# Altium PCB TEL-GPRS-BT-V1_0 Rev1.PcbDoc (part 2 of 2)
Units mm, origin at the board's own origin, x right, y up, seen from the top; angles counter-clockwise.
Board outline 117.3 x 79.64 mm, 2 copper layers (Top Layer, Bottom Layer); 129 components, 107 nets, 540 pads, 161 vias.
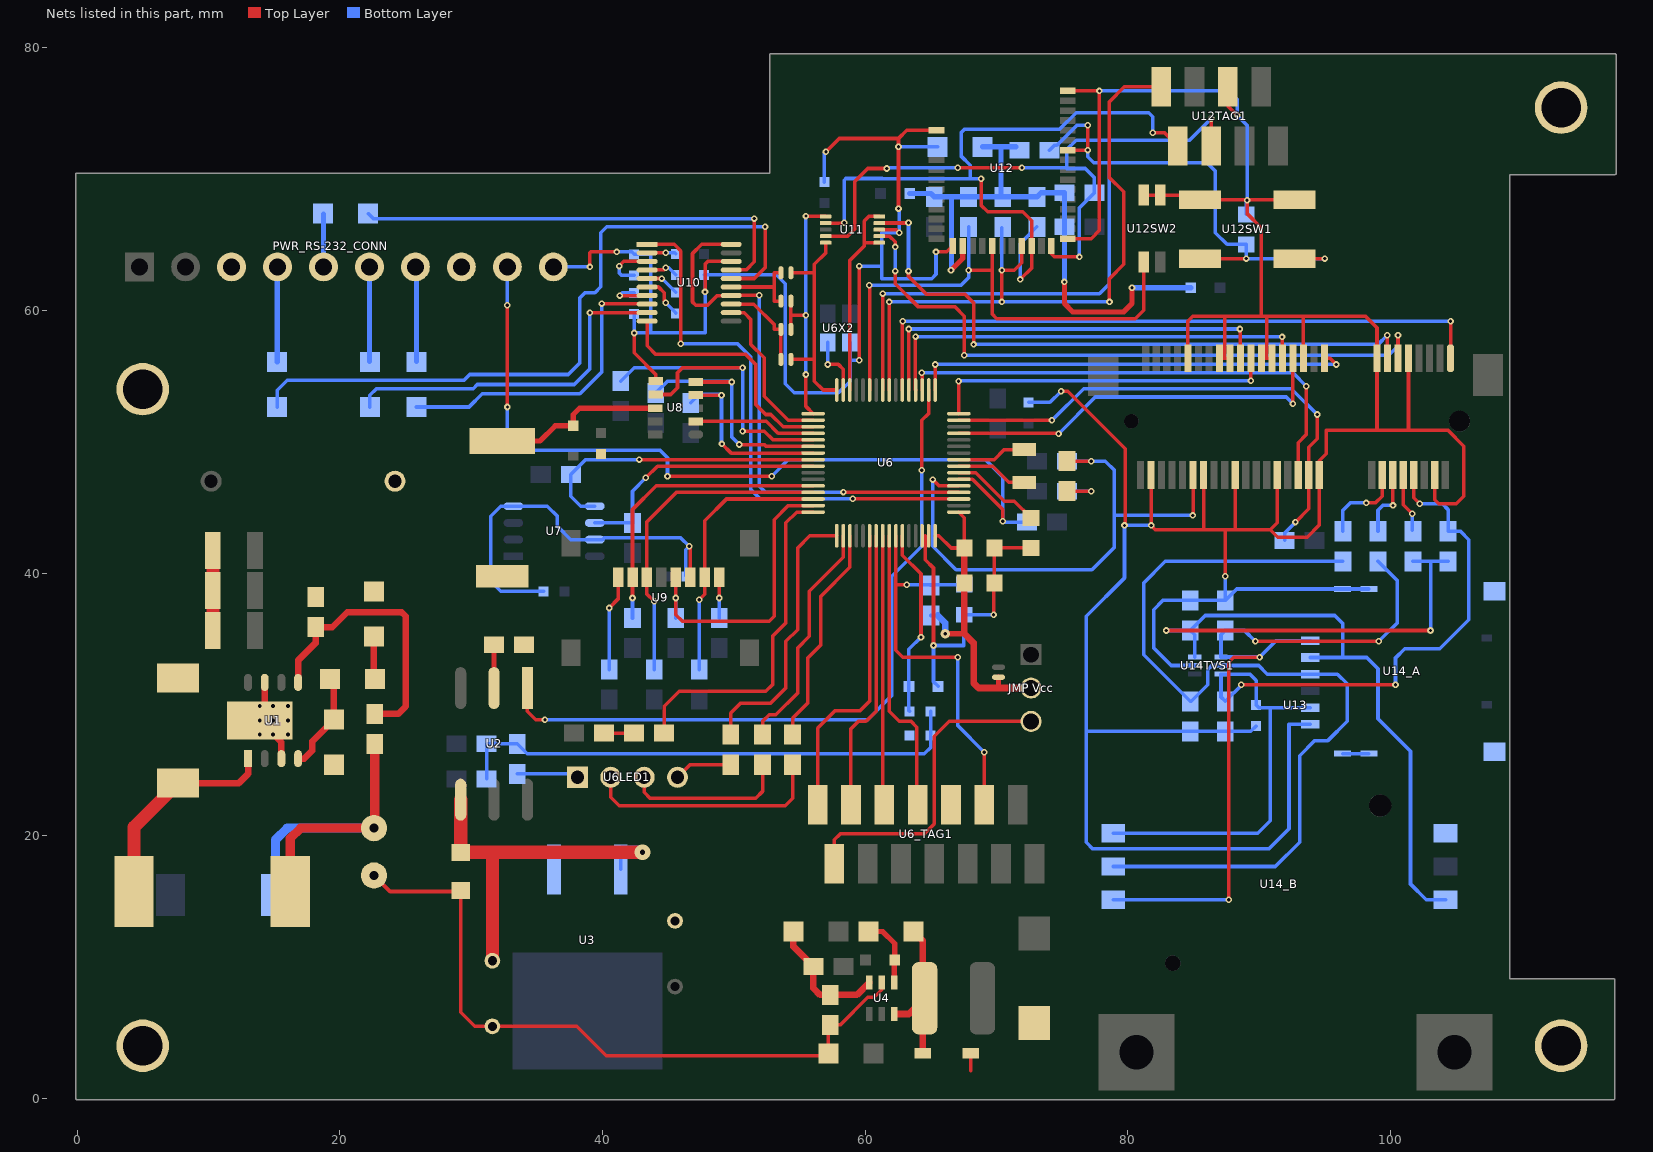
[diagram p2: the nets of this part, all layers, seen from the top]

## Via types
v1: diameter 0.5, hole 0.25, Top Layer to Bottom Layer, tented both sides, 153 vias
v2: diameter 0.7, hole 0.25, Top Layer to Bottom Layer, tented both sides, 5 vias
v3: diameter 1.2, hole 0.4, Top Layer to Bottom Layer, tented both sides, 2 vias
v4: diameter 0.8, hole 0.25, Top Layer to Bottom Layer, tented both sides, 1 vias

## Nets (pads, with @x,y where several pads share a name; then routed paths per layer and width w, separated by ;. In a path a pad name is that pad's centre, name@x,y a point inside that pad or via, vN(x,y) a via of type N, cw(c..) or ccw(c..) an arc to the next point about the centre after c; other vN are vias at no path point) (continued)
BT_RESET: U6.25 U12.7 U12C2.1 U12R1.2 U12SW1.1 | length 72.2
  Top Layer w0.27: v1(61.341,61.277) 61.345,61.274 U6.25@61.345,53.937 ; U12.7@75.438,72.208 v1(76.962,72.208) v1(76.962,74.105) ; U12SW1.1@85.518,63.944 v1(89.027,63.944) ; U12SW1.1@92.718,63.944 v1(94.996,63.944)
  Bottom Layer w0.27: v1(61.341,61.277) 77.851,61.277 78.613,62.039 78.613,71.247 ; U12R1.2@74.041,72.2 74.422,72.581 74.612,72.581 76.136,74.105 v1(76.962,74.105) ; v1(76.962,72.208) 76.962,71.691 77.406,71.247 78.613,71.247 ; v1(94.996,63.944) v1(89.027,63.944) U12C2.1@89.027,65.024 87.566,65.024 86.677,65.913 86.677,70.612 86.042,71.247 78.613,71.247
BT_RTS: U6.24 U12.20 U12R4.2 U12TAG1.1 | length 52.7
  Top Layer w0.27: U6.24@61.845,53.937 61.845,60.638 v1(61.849,60.642) ; v1(70.421,60.642) v1(70.421,63.055) 71.374,63.055 71.938,63.619 U12.20@71.938,64.908 ; v1(78.613,60.642) 78.613,62.42 79.692,63.5 79.692,69.025 78.613,70.104 78.613,75.882 79.748,77.017 U12TAG1.1@82.55,77.017
  Bottom Layer w0.27: v1(61.849,60.642) v1(70.421,60.642) v1(78.613,60.642) ; v1(70.421,63.055) U12R4.2@70.421,66.294
BT_RX: U11.9 U12.17 U12R7.1 U12TAG1.4 | length 49.9
  Top Layer w0.27: U11.9@56.998,65.651 58.666,65.651 59.205,66.19 59.205,69.809 60.198,70.802 v1(61.658,70.802) ; v1(67.056,70.866) v1(71.945,70.866) ; U12.17@74.188,64.908 74.188,64.306 74.422,64.072 v1(76.327,64.072) ; U12TAG1.4@86.36,72.517 v1(86.36,74.612)
  Bottom Layer w0.27: v1(61.658,70.802) 61.722,70.866 v1(67.056,70.866) ; v1(71.945,70.866) 75.311,70.866 75.374,70.802 ; v1(76.327,64.072) 76.327,67.818 U12R7.1@77.47,68.961 77.47,70.104 76.772,70.802 75.374,70.802 ; v1(86.36,74.612) 84.709,72.962 76.073,72.962 75.374,72.263 75.374,70.802
BT_SIO_02: U6.27 U12.23 U12R3.2 U12SW2.3 | length 42.3
  Top Layer w0.27: v1(60.325,61.912) 60.345,61.893 U6.27@60.345,53.937 ; v1(67.882,63.055) 69.688,63.055 ; U12.23@69.688,64.908 69.688,59.725 70.04,59.372 80.581,59.372 81.216,60.008 U12SW2.3@81.216,63.691
  Bottom Layer w0.27: v1(60.325,61.912) 67.31,61.912 67.882,62.484 v1(67.882,63.055) U12R3.2@67.882,66.358
BT_TX: U11.7 U12.19 U12R6.1 U12TAG1.2 | length 53.6
  Top Layer w0.27: U11.7@56.998,66.651 58.396,66.651 v1(58.42,66.675) ; v1(68.834,70.018) 68.834,68.008 69.342,67.501 72.009,67.501 72.688,66.821 U12.19@72.688,64.908 72.688,63.227 v1(71.819,62.357) ; v1(81.915,73.533) 82.804,73.533 U12TAG1.2@83.82,72.517
  Bottom Layer w0.27: v1(58.42,66.675) 58.42,69.913 58.547,70.04 61.31,70.04 61.333,70.018 68.008,70.018 ; v1(68.834,70.018) 68.008,70.018 ; v1(71.819,62.357) 71.819,65.087 U12R6.1@73.088,66.358 ; v1(81.915,73.533) 81.915,74.739 81.597,75.057 76.077,75.057 74.826,73.806 67.583,73.806 67.31,73.533 67.31,71.755 68.008,71.056 68.008,70.018
GND: PWR_RS-232_CONN.3 PWR_RS-232_CONN.8 PWR_RS-232_CONN.10 U1.3 U1.7 U1.9 U1C1.1 U1C2.1 U1C3.1 U1C4.1 U1C6.2 U1D1.1 U1R1.1 U1R2.2 U1TVS1.1 U2R1.1 U3.1 U3C1.2 U3C2.2 U3TVS1.1 U4.2 U4C1.1 U4C4.2 U4D1.1 U4R2.1 U5C1.2 U5D1.1 U5R2.1 U6.62 U6.63 U6_TAG1.9 U6C1.2 U6C2.2 U6C3.2 U6C4.2 U6C5.2 U6LED1.1 U6X2.2 U7.4 U7.7 U7C1.1 U8.6 U8C1.2 U8C2.2 U9.6 U9C1.2 U10.18 U10C1.1 U10C4.1 U10C5.1 U11.3 U11C1.1 U12.1 U12.16 U12.27 U12.39 U12C1.2 U12C2.2 U12SW1.2 U12SW2.1 U12SW2.2 U12TAG1.5 U13.4 U13.9 U13.15 U13.18 U13.21 U13.26 U13.27 U13.29 U13.34 U13.35 U13.37 U13.40 U13.43 U13.50 U14_A.5 U14_B.5 U14C1.2 U14C2.1 U14C3.1 U14C4.1 U14C5.1 U14TVS1.2 | length 502.6
  Top Layer w0.27: U1C6.2@22.606,16.974 23.832,15.748 29.136,15.748 U3TVS1.1@29.21,15.822 29.21,6.54 30.273,5.477 U3C1.2@31.623,5.477 38.053,5.477 40.292,3.238 57.213,3.238 U4C1.1@57.213,3.429 U4R2.1@57.213,5.461 ; v1(39.052,63.309) 39.052,64.389 39.116,64.453 v1(41.084,64.453) ; v1(42.418,58.279) 42.418,56.769 44.069,55.118 U8.6@44.069,54.61 ; v1(46.609,42.037) 46.693,41.953 U9.6@46.693,39.676 ; v1(47.816,61.404) 47.816,63.5 48.043,63.728 U10.18@49.809,63.728 ; v1(57.023,72.072) 58.039,73.088 62.547,73.088 ; U4R2.1@57.34,5.588 58.102,5.588 60.198,7.683 60.706,7.683 61.277,8.255 U4.2@61.277,8.82 ; v1(59.563,56.197) v1(59.563,63.373) ; U11.3@61.087,66.151 62.373,66.151 v1(62.611,65.913) ; v1(62.547,67.754) v1(62.547,72.453) 62.547,73.088 ; 64.579,42.837 64.579,41.021 65.215,40.386 v1(65.215,34.48) ; v1(65.405,64.453) 66.232,64.453 U12.27@66.688,64.908 ; U12.39@65.438,73.708 63.167,73.708 62.547,73.088 ; 68.056,2.112 U4D1.1@68.056,3.429 ; v1(69.787,36.83) 69.787,39.174 U6C1.2@69.85,39.237 69.85,41.904 69.856,41.91 U6C4.2@72.644,41.91 ; v1(74.93,53.848) 75.438,53.848 79.819,49.466 79.819,43.624 v1(79.756,43.624) ; U12.16@75.438,65.458 77.217,65.458 77.851,66.092 v1(77.851,76.708) U12.1@75.438,76.708 ; U12SW2.2@81.216,68.77 U12SW2.1@82.486,68.77 85.137,68.77 U12SW1.2@85.49,68.417 U12SW1.2@92.691,68.417 ; U13.50@81.783,47.462 81.783,43.629 v1(81.788,43.624) 82.105,43.307 87.439,43.307 ; U13.43@84.583,56.362 84.583,59.183 84.963,59.563 90.17,59.563 ; 85.783,43.312 U13.40@85.783,47.462 ; U13.37@86.983,56.362 87.383,56.362 ; 87.383,59.556 87.383,56.362 ; v1(87.439,39.751) 87.439,43.307 ; U12TAG1.5@87.63,77.017 87.63,75.565 v1(88.328,74.867) ; U13.35@87.783,56.362 87.383,56.362 ; U13.34@88.183,47.462 88.201,47.444 88.201,43.307 ; v1(89.09,68.389) 89.09,67.373 90.17,66.294 90.17,59.563 ; U13.29@90.183,56.362 90.583,56.362 ; U13.27@90.983,56.362 90.583,56.362 ; U13.26@91.383,47.462 91.383,43.822 90.868,43.307 ; U13.21@93.383,56.362 93.383,59.538 ; 98.983,50.913 U13.15@98.983,56.362 98.983,58.688 98.108,59.563 90.551,59.563 ; 101.383,50.89 U13.9@101.383,56.362 ; U13.4@103.383,47.462 103.383,45.588 103.695,45.276 105.029,45.276 105.6,45.847 105.6,49.657 104.394,50.863 95.123,50.863 95.123,49.085 94.583,48.546 U13.18@94.583,47.462 94.583,43.656 93.662,42.735 91.44,42.735 90.868,43.307 ; 87.439,43.307 88.201,43.307 ; 88.201,43.307 90.868,43.307 ; 90.17,59.563 90.551,59.563 ; 90.551,59.563 90.583,59.531 90.583,56.362
  Top Layer w0.5: U1.9@13.918,28.765 15.557,27.126 U1.3@15.557,25.866 ; U1.9@14.287,29.135 U1.7@14.287,31.665
  Top Layer w1: U1C3.1@10.338,35.623 U1C2.1@10.338,38.672 U1C1.1@10.338,41.719
  Bottom Layer w0.27: U5R2.1@33.528,24.701 37.846,24.701 U6LED1.1@38.1,24.448 ; U7C1.1@35.522,38.608 32.258,38.608 31.496,39.37 31.496,44.323 32.258,45.085 U7.4@33.222,45.085 35.814,45.085 36.576,44.323 36.576,43.561 37.592,42.545 U7.7@39.422,42.545 40.005,42.545 40.132,42.672 45.974,42.672 v1(46.609,42.037) 46.355,41.783 46.355,39.789 U9C1.2@46.393,39.751 ; PWR_RS-232_CONN.10@36.261,63.309 v1(39.052,63.309) ; v1(41.084,64.453) 42.227,64.453 U10C4.1@42.418,64.262 43.688,64.262 43.688,58.293 ; U10C5.1@42.418,59.741 42.418,58.293 47.816,58.293 v1(47.816,61.404) 47.816,62.636 U10C1.1@47.752,62.7 53.251,62.7 53.911,62.039 53.911,54.419 54.61,53.721 57.975,53.721 58.864,54.61 58.864,56.272 ; U11C1.1@56.896,69.761 56.896,71.945 v1(57.023,72.072) ; U6X2.2@58.864,57.553 58.864,56.272 ; v1(59.563,56.197) 58.939,56.197 58.864,56.272 ; v1(59.563,63.373) 61.277,63.373 ; v1(62.547,67.754) 62.611,67.691 v1(62.611,65.913) 61.277,65.913 61.277,63.373 ; v1(62.547,72.453) U12C1.2@65.532,72.453 ; v1(65.405,64.453) 65.405,62.738 65.087,62.42 61.277,62.42 61.277,63.373 ; U5D1.1@65.565,31.369 65.215,31.719 v1(65.215,34.48) 67.501,34.48 67.501,36.767 U6C3.2@67.564,36.83 v1(69.787,36.83) ; U6C5.2@72.454,52.997 74.079,52.997 v1(74.93,53.848) ; v1(77.851,76.708) 87.694,76.708 88.328,76.073 v1(88.328,74.867) 89.09,74.105 v1(89.09,68.389) 89.027,68.326 U12C2.2@89.027,67.31 ; v1(81.788,43.624) v1(79.756,43.624) 79.756,39.624 76.835,36.703 76.835,27.94 ; U14TVS1.2@85.106,32.956 83.312,32.956 81.978,34.29 81.978,37.211 82.677,37.91 U14C2.1@84.772,37.91 U14C3.1@87.439,37.91 ; v1(87.439,39.751) U14C3.1@87.439,37.91 ; U14C1.2@89.789,28.346 89.383,27.94 U14C5.1@87.439,27.94 U14C4.1@84.772,27.94 76.835,27.94 ; U14_A.5@93.9,28.487 92.283,28.487 92.283,20.528 90.742,18.986 77.343,18.986 76.835,19.494 76.835,27.94 ; U14_A.5@96.37,26.242 U14_A.5@98.37,26.242 ; U14_A.5@98.37,38.782 U14_A.5@96.37,38.782 88.312,38.782 U14C3.1@87.439,37.91
INT-PUERTA: PWR_RS-232_CONN.9 U6.6 U6R3.1 | length 64.1
  Top Layer w0.27: v1(32.761,60.394) 32.766,60.389 v1(32.766,52.642) ; v1(44.958,47.371) v1(52.895,47.371) ; U6.6@67.145,47.137 68.179,47.137 70.485,44.831 v1(70.485,43.942)
  Bottom Layer w0.27: v1(32.761,60.394) PWR_RS-232_CONN.9@32.761,63.309 ; v1(32.766,52.642) 32.761,52.636 32.761,50.615 34.036,49.34 44.386,49.34 44.958,48.768 v1(44.958,47.371) ; v1(52.895,47.371) 54.165,48.641 69.151,48.641 70.485,47.307 v1(70.485,43.942) 70.549,43.878 U6R3.1@72.326,43.879
NetSP1_1: T1.1
NetSP2_1: T2.1
NetSP3_1: T3.1
NetSP4_1: T4.1
NetU1_1: U1.1 U1D1.2 U1L1.1 | length 16.4
  Top Layer w0.5: U1D1.2@7.683,24.004 12.32,24.004 13.018,24.701 U1.1@13.018,25.866
  Top Layer w1: U1L1.1@4.334,15.748 4.334,20.654 U1D1.2@7.683,24.004
NetU1_4: U1.4 U1C4.2 U1C5.2 | length 7.6
  Top Layer w0.27: U1C5.2@19.241,31.941 U1C5.2@19.558,31.623
  Top Layer w0.5: U1.4@16.828,25.866 17.293,25.866 17.907,26.479 17.907,27.178 U1C4.2@19.558,28.829 U1C5.2@19.558,31.623
NetU1_5: U1.5 U1R2.1 U1R3.2 | length 21.7
  Top Layer w0.5: U1.5@16.828,31.665 16.828,33.337 18.161,34.671 U1R2.1@18.161,35.877 19.431,35.877 20.574,37.02 24.701,37.02 25.019,36.703 25.019,29.845 24.447,29.273 U1R3.2@22.669,29.273
NetU1C5_1: U1C5.1 U1R1.2 | length 3.3
  Top Layer w0.27: U1C5.1@22.606,32.004 U1C5.1@22.669,31.941
  Top Layer w0.5: U1C5.1@22.606,32.004 U1R1.2@22.606,35.179
NetU1C6_1: U1C6.1 U1D2.1 U1L1.2 U1R3.1 | length 29.2
  Top Layer w0.7: U1L1.2@16.234,15.739 16.234,19.79 17.018,20.574 U1C6.1@22.606,20.574 ; U1C6.1@22.669,20.637 U1R3.1@22.669,26.987
  Bottom Layer w0.7: U1D2.1@15.112,15.494 15.112,19.684 16.002,20.574 U1C6.1@22.606,20.574
NetU2_1: U2.1 U6.18 | length 55
  Top Layer w0.27: U2.1@34.29,31.237 34.29,29.464 34.925,28.829 v1(35.623,28.829) ; v1(64.325,47.816) 64.325,51.625 64.845,52.145 U6.18@64.845,53.937
  Bottom Layer w0.27: v1(35.623,28.829) 60.198,28.829 62.039,30.67 62.039,39.751 64.325,42.037 v1(64.325,47.816)
NetU2_2: U2.2 U2R1.2 | length 3.3
  Top Layer w0.4: U2.2@31.75,31.237 U2R1.2@31.75,34.544
NetU2_4: U2.4 U3.3 U3C1.1 U3TVS1.2 | length 28.9
  Top Layer w1: U2.4@29.21,22.738 29.21,18.732 31.623,18.732 ; U3C1.1@31.623,10.477 31.623,18.732 ; v3(43.053,18.732) 31.623,18.732
  Bottom Layer w0.27: U3.3@41.402,17.431 41.402,18.542 U3.3@41.593,18.732
  Bottom Layer w1: U3.3@41.593,18.732 v3(43.053,18.732)
NetU4_1: U4.1 U4C2.2 U4D2.2 | length 5.3
  Top Layer w0.4: U4C2.2@60.261,12.7 61.341,12.7 62.263,11.778 U4D2.2@62.263,10.541 ; U4.1@62.228,8.82 U4D2.2@62.228,10.506
NetU4_3: U4.3 U4C3.1 U4R1.1 U4R2.2 | length 9.8
  Top Layer w0.5: U4C3.1@54.546,12.7 54.546,11.557 U4R1.1@56.07,10.033 56.07,8.382 56.578,7.874 U4R2.2@57.34,7.874 59.382,7.874 U4.3@60.328,8.82
NetU4_6: U4.6 U4C2.1 U4D1.2 U4L1.1 | length 12.2
  Top Layer w0.5: U4.6@62.228,6.42 63.338,6.42 U4L1.1@64.405,7.487 ; U4C2.1@63.691,12.7 64.405,11.985 U4L1.1@64.405,7.487 ; U4D1.2@64.405,3.429 U4L1.1@64.405,7.487
NetU5C1_1: U5C1.1 U5R1.1 U5R2.2 U5R3.1 U5R4.2 | length 39.8
  Bottom Layer w0.27: U5R1.1@31.178,24.32 U5R3.1@31.178,26.988 U5R2.2@33.528,26.987 34.29,26.226 64.516,26.226 64.999,26.708 U5C1.1@64.999,27.622 U5R4.2@64.998,29.464
NetU5D1_2: U5D1.2 U5R4.1 U6.59 | length 14.4
  Top Layer w0.27: U6.59@62.845,42.837 62.845,41.358 64.262,39.941 v1(64.262,35.115)
  Bottom Layer w0.27: U5R4.1@63.398,29.464 63.34,29.522 U5D1.2@63.34,31.369 63.34,34.194 v1(64.262,35.115)
NetU6_3: U6.3 U10.1 | length 41.8
  Top Layer w0.27: U10.1@43.409,65.028 45.462,65.028 45.974,64.516 v1(45.974,57.468) ; v1(59.055,45.657) U6.3@67.125,45.657
  Bottom Layer w0.27: v1(45.974,57.468) 50.292,57.468 51.308,56.451 51.308,46.355 52.006,45.657 v1(59.055,45.657)
NetU6_4: U6.4 U10.14 U10.20 | length 42.3
  Top Layer w0.27: U10.14@49.809,61.128 48.746,61.128 48.006,60.389 47.117,60.389 46.863,60.642 46.863,64.325 47.565,65.028 U10.20@49.809,65.028 ; U10.14@49.831,61.151 v1(51.943,61.151) ; v1(58.356,46.164) 58.379,46.142 67.145,46.142 U6.4@67.145,46.137
  Bottom Layer w0.27: v1(51.943,61.151) 51.943,46.609 52.387,46.164 v1(58.356,46.164)
NetU6_5: U6.5 U13.42 U13D1.2 U13R3.1 | length 43.2
  Top Layer w0.27: v1(65.151,47.117) 65.631,46.637 U6.5@67.145,46.637 ; U13D1.2@75.374,48.514 v1(77.216,48.514) ; v1(84.963,44.386) 84.983,44.407 U13.42@84.983,47.462
  Bottom Layer w0.27: v1(65.151,47.117) 65.151,42.037 66.929,40.259 77.279,40.259 78.994,41.974 78.994,47.816 78.295,48.514 v1(77.216,48.514) U13R3.1@75.374,48.514 ; 78.994,44.386 v1(84.963,44.386)
NetU6_7: U6.7 U6C4.1 | length 6.9
  Top Layer w0.27: U6.7@67.145,47.637 68.441,47.637 70.612,45.466 71.374,45.466 U6C4.1@72.644,44.196
NetU6_8: U6.8 U6X1.2 | length 5.5
  Top Layer w0.27: U6.8@67.145,48.137 69.719,48.137 70.953,46.903 U6X1.2@72.136,46.903
NetU6_9: U6.9 U6X1.1 | length 5.3
  Top Layer w0.27: U6.9@67.145,48.637 69.846,48.637 70.612,49.403 U6X1.1@72.136,49.403
NetU6_13: U6.13 U13.23 | length 30.3
  Top Layer w0.27: U6.13@67.145,50.637 74.712,50.637 v1(74.739,50.609) ; v1(92.583,52.895) 92.583,53.594 U13.23@92.583,56.362
  Bottom Layer w0.27: v1(74.739,50.609) 77.534,53.404 92.075,53.404 v1(92.583,52.895)
NetU6_15: U6.15 U13.20 U13R1.1 | length 39.7
  Top Layer w0.27: U6.15@67.145,51.637 74.22,51.637 v1(74.231,51.625) ; v1(92.773,43.878) 93.783,44.888 U13.20@93.783,47.462 93.783,49.587 94.424,50.228 v1(94.424,52.07)
  Bottom Layer w0.27: v1(74.231,51.625) 76.644,54.038 92.456,54.038 v1(94.424,52.07) ; U13R1.1@91.948,42.481 91.948,43.053 v1(92.773,43.878)
NetU6_16: U6.16 U13.31 | length 26.5
  Top Layer w0.27: v1(67.12,54.61) 67.12,52.162 U6.16@67.145,52.137 ; v1(89.383,54.649) U13.31@89.383,56.362
  Bottom Layer w0.27: v1(67.12,54.61) 67.158,54.649 v1(89.383,54.649)
NetU6_17: U6.17 U13.17 | length 33.6
  Top Layer w0.27: U6.17@65.345,53.937 v1(65.345,55.88) ; U13.17@94.983,56.362 95.403,56.362 v1(95.885,55.88)
  Bottom Layer w0.27: v1(65.345,55.88) v1(95.885,55.88)
NetU6_19: U6.19 U13.22 | length 38
  Top Layer w0.27: v1(64.325,55.245) 64.345,55.226 U6.19@64.345,53.937 ; U13.22@92.983,47.462 92.983,49.93 93.599,50.546 v1(93.599,54.229)
  Bottom Layer w0.27: v1(64.325,55.245) 92.583,55.245 v1(93.599,54.229)
NetU6_30: U6.30 U11.1 U11.5 | length 15.8
  Top Layer w0.27: U6.30@58.845,53.937 58.845,63.798 59.944,64.897 59.944,65.151 ; U11.1@61.087,65.151 59.944,65.151 ; U11.5@61.087,67.151 60.293,67.151 59.944,66.802 59.944,65.151
NetU6_32: U6.32 U10B_A1.1 U10B_B2.2 U11.10 | length 16.4
  Top Layer w0.27: U10B_A1.1@54.356,56.261 56.134,56.261 ; U10B_B2.2@54.356,62.865 56.134,62.865 ; U11.10@56.998,65.151 56.998,64.364 56.134,63.5 56.134,62.357 56.134,56.261 ; U6.32@57.845,53.937 56.807,53.937 56.134,54.61 56.134,56.261
NetU6_33: U6.33 U10B_A2.1 U10B_B1.2 U11.6 | length 20.1
  Top Layer w0.27: U10B_B1.2@54.356,58.547 54.356,59.627 ; U10B_A2.1@54.356,60.706 54.356,59.627 ; v1(55.499,55.118) 55.499,52.683 U6.33@56.045,52.137 ; v1(55.499,59.627) 54.356,59.627 ; v1(55.499,67.183) 56.966,67.183 U11.6@56.998,67.151
  Bottom Layer w0.27: v1(55.499,55.118) v1(55.499,59.627) v1(55.499,67.183)
NetU6_34: U6.34 U10.12 | length 12.5
  Top Layer w0.27: U10.12@49.809,59.828 50.789,59.828 51.308,59.309 51.308,57.404 52.324,56.388 52.324,53.467 54.154,51.637 U6.34@56.045,51.637
NetU6_35: U6.35 U10.10 | length 18.9
  Top Layer w0.27: U10.10@43.409,59.178 43.409,57.302 44.069,56.642 50.927,56.642 51.689,55.88 51.689,52.832 52.451,52.07 52.832,52.07 53.765,51.137 U6.35@56.045,51.137
NetU6_36: U6.36 U8.2 | length 9.3
  Top Layer w0.27: U8.2@47.117,51.546 52.467,51.546 53.376,50.637 U6.36@56.045,50.637
NetU6_37: U6.37 U8.7 U8R3.2 | length 28.3
  Top Layer w0.27: U8.7@44.069,53.594 45.212,53.594 45.72,54.102 45.72,55.245 46.101,55.626 v1(50.673,55.626) ; v1(50.673,50.8) 52.324,50.8 52.987,50.137 U6.37@56.045,50.137
  Bottom Layer w0.27: U8R3.2@41.402,54.61 42.418,55.626 v1(50.673,55.626) v1(50.673,50.8)
NetU6_38: U6.38 U8.5 U8R2.1 | length 19.6
  Top Layer w0.27: U8.5@47.117,54.546 v1(49.848,54.547) ; v1(50.419,49.784) 52.324,49.784 52.471,49.637 U6.38@56.045,49.637
  Bottom Layer w0.27: U8R2.1@44.069,53.721 44.958,54.61 49.785,54.61 v1(49.848,54.547) 49.848,50.355 v1(50.419,49.784)
NetU6_39: U6.39 U8.4 U8R1.1 | length 15.5
  Top Layer w0.27: U8.4@47.117,53.546 v1(49.07,53.546) ; v1(49.101,49.832) 49.796,49.137 U6.39@56.045,49.137
  Bottom Layer w0.27: U8R1.1@46.736,52.959 47.371,53.594 49.022,53.594 v1(49.07,53.546) 49.07,49.832 v1(49.101,49.832)
NetU6_40: U6.40 U7.5 U7R2.1 | length 22.7
  Top Layer w0.27: v1(42.799,48.641) U6.40@56.041,48.641
  Bottom Layer w0.27: U7.5@39.422,45.085 38.354,45.085 37.592,45.847 U7R2.1@37.592,47.498 38.735,48.641 v1(42.799,48.641)
NetU6_41: U6.41 U7.6 U7R1.1 | length 19.8
  Top Layer w0.27: v1(43.307,47.244) 44.2,48.137 U6.41@56.045,48.137
  Bottom Layer w0.27: U7.6@39.422,43.815 U7R1.1@42.291,43.815 42.291,46.228 v1(43.307,47.244)
NetU6_44: U6.44 U9.2 U9R2.1 | length 22.8
  Top Layer w0.27: v1(42.291,38.1) U9.2@42.291,39.674 ; U9.2@42.293,39.676 42.293,44.833 44.097,46.637 U6.44@56.045,46.637
  Bottom Layer w0.27: U9R2.1@42.291,36.576 v1(42.291,38.1)
NetU6_45: U6.45 U9.3 U9R3.1 | length 25.1
  Top Layer w0.27: v1(43.942,37.846) 43.393,38.395 U9.3@43.393,39.676 43.393,43.901 45.629,46.137 U6.45@56.045,46.137
  Bottom Layer w0.27: U9R3.1@43.942,32.639 v1(43.942,37.846)
NetU6_46: U6.46 U9.7 U9R5.1 | length 20.5
  Top Layer w0.27: v1(47.371,37.973) 47.793,38.395 U9.7@47.793,39.676 47.793,43.983 49.447,45.637 U6.46@56.045,45.637
  Bottom Layer w0.27: U9R5.1@47.371,32.639 v1(47.371,37.973)
NetU6_47: U6.47 U9.5 U9R4.1 | length 23
  Top Layer w0.27: U9.5@45.593,39.676 45.593,36.83 46.101,36.322 52.705,36.322 53.086,36.703 53.086,44.069 54.154,45.137 U6.47@56.045,45.137
  Bottom Layer w0.27: U9R4.1@45.593,36.576 v1(45.593,38.1)
NetU6_48: U6.48 U6LED2.2 | length 26.1
  Top Layer w0.27: U6LED2.2@44.704,27.813 44.704,29.845 45.847,30.988 52.451,30.988 52.959,31.496 52.959,35.179 53.975,36.195 53.975,43.815 54.797,44.637 U6.48@56.045,44.637
NetU6_49: U6.49 U6R4.2 | length 21
  Top Layer w0.27: U6R4.2@49.784,27.686 49.784,29.337 50.546,30.099 52.832,30.099 53.975,31.242 53.975,34.798 54.864,35.687 54.864,41.91 55.791,42.837 U6.49@57.845,42.837
NetU6_50: U6.50 U6R5.2 | length 18
  Top Layer w0.27: U6R5.2@52.197,27.686 52.197,28.702 52.705,29.21 53.213,29.21 54.864,30.861 54.864,34.29 55.753,35.179 55.753,38.608 58.345,41.2 U6.50@58.345,42.837
NetU6_51: U6.51 U6R6.2 | length 17
  Top Layer w0.27: U6R6.2@54.483,27.686 54.483,28.956 55.626,30.099 55.626,33.528 56.642,34.544 56.642,38.227 58.845,40.43 U6.51@58.845,42.837
NetU6LED1_2: U6LED1.2 U6R6.1 | length 18.4
  Top Layer w0.27: U6LED1.2@40.64,24.448 40.64,22.924 41.275,22.288 53.911,22.288 54.483,22.86 U6R6.1@54.483,25.4
NetU6LED1_3: U6LED1.3 U6R5.1 | length 12.6
  Top Layer w0.27: U6LED1.3@43.18,24.448 43.18,23.304 43.624,22.86 51.689,22.86 52.197,23.368 U6R5.1@52.197,25.4
NetU6LED1_4: U6LED1.4 U6R4.1 | length 4.5
  Top Layer w0.27: U6LED1.4@45.72,24.448 46.672,25.4 U6R4.1@49.784,25.4
NetU6LED2_1: U6LED2.1 U6R7.1 | length 2.3
  Top Layer w0.27: U6R7.1@40.132,27.813 U6LED2.1@42.418,27.813
NetU8_8: U8.8 U8C2.1 U8D1.2 | length 13.2
  Top Layer w0.4: U8C2.1@32.385,50.046 35.25,50.046 36.418,51.214 U8D1.2@37.782,51.214 37.782,52.07 38.259,52.546 U8.8@44.017,52.546
NetU9_1: U9.1 U9R1.1 | length 7.3
  Top Layer w0.27: v1(40.513,37.338) 41.193,38.018 U9.1@41.193,39.676
  Bottom Layer w0.27: U9R1.1@40.513,32.639 v1(40.513,37.338)
NetU9_8: U9.8 U9R6.1 | length 3.1
  Top Layer w0.27: U9.8@48.893,39.676 48.895,39.674 v1(48.895,38.1)
  Bottom Layer w0.27: U9R6.1@48.895,36.576 v1(48.895,38.1)
NetU10_2: U10.2 U10C2.2 | length 2.2
  Top Layer w0.27: U10.2@43.409,64.378 44.82,64.378 v1(44.831,64.389)
  Bottom Layer w0.27: v1(44.831,64.389) 45.504,64.389 U10C2.2@45.593,64.3
NetU10_3: U10.3 U10C4.2 | length 4
  Top Layer w0.27: v1(41.275,63.373) 41.63,63.728 U10.3@43.409,63.728
  Bottom Layer w0.27: v1(41.275,63.373) 41.275,62.84 41.453,62.662 U10C4.2@42.418,62.662
NetU10_4: U10.4 U10C2.1 | length 2.5
  Top Layer w0.27: U10.4@43.409,63.078 44.663,63.078 v1(44.831,63.246)
  Bottom Layer w0.27: v1(44.831,63.246) 45.047,63.246 U10C2.1@45.593,62.7
NetU10_5: U10.5 U10C3.2 | length 2.6
  Top Layer w0.27: U10.5@43.409,62.428 v1@44.506,62.428
  Bottom Layer w0.27: v1(44.514,62.42) 44.552,62.42 U10C3.2@45.593,61.379
NetU10_6: U10.6 U10C3.1 | length 3.4
  Top Layer w0.27: U10.6@43.409,61.778 44.267,61.778 44.704,61.341 44.704,60.706 v1(44.831,60.579)
  Bottom Layer w0.27: v1(44.831,60.579) 45.593,59.817 U10C3.1@45.593,59.779
NetU10_7: U10.7 U10C5.2 | length 3.3
  Top Layer w0.27: v1(41.316,61.128) U10.7@43.409,61.128
  Bottom Layer w0.27: v1(41.316,61.128) 41.529,61.341 U10C5.2@42.418,61.341
NetU10_8: U10.8 U10L3.1 | length 23.8
  Top Layer w0.27: v1(39.941,60.515) U10.8@43.372,60.515
  Bottom Layer w0.27: U10L3.1@25.845,52.642 29.846,52.642 30.861,53.657 38.291,53.657 39.941,55.308 v1(39.941,60.515)
NetU10_9: U10.9 U10L4.1 | length 27.1
  Top Layer w0.27: v1(39.052,59.817) U10.9@43.398,59.817
  Bottom Layer w0.27: U10L4.1@22.288,52.642 22.288,53.53 22.796,54.038 30.162,54.038 30.48,54.356 37.846,54.356 39.052,55.562 v1(39.052,59.817)
NetU10_13: U10.13 U10B_A1.2 U10B_B1.1 | length 7.1
  Top Layer w0.27: U10.13@49.809,60.478 51.536,60.478 53.086,58.928 53.086,58.547 U10B_B1.1@53.594,58.547 U10B_A1.2@53.594,56.261
NetU10_15: U10.15 U10B_A2.2 U10B_B2.1 | length 6.4
  Top Layer w0.27: U10.15@49.809,61.778 53.079,61.778 ; U10B_A2.2@53.594,60.706 53.086,60.706 53.086,62.865 U10B_B2.1@53.594,62.865
NetU10_16: U10.16 U10L2.1 | length 54.9
  Top Layer w0.27: U10.16@49.809,62.428 51.562,62.428 52.387,63.254 v1(52.387,66.358)
  Bottom Layer w0.27: U10L2.1@15.24,52.642 15.24,53.911 16.002,54.673 29.464,54.673 29.909,55.118 37.401,55.118 38.291,56.007 38.291,60.96 38.672,61.341 39.433,61.341 39.878,61.785 39.878,65.913 40.322,66.358 v1(52.387,66.358)
NetU10_17: U10.17 U10L1.1 | length 34.9
  Top Layer w0.27: U10.17@49.809,63.078 50.949,63.078 51.562,63.691 v1(51.562,66.992)
  Bottom Layer w0.27: U10L1.1@22.162,67.373 22.543,66.992 v1(51.562,66.992)
NetU11_2: U11.2 U13.11 | length 49.7
  Top Layer w0.27: U11.2@61.087,65.651 61.857,65.651 62.293,65.215 v1(62.293,64.834) ; v1(62.293,62.992) 62.293,62.039 64.072,60.261 66.865,60.261 67.564,59.563 v1(67.564,56.578) ; U13.11@100.583,56.362 v1(100.584,58.102) v1(100.584,58.102)
  Bottom Layer w0.27: v1(62.293,62.992) v1(62.293,64.834) ; v1(67.564,56.578) 99.885,56.578 100.584,57.277 v1(100.584,58.102)
NetU11_4: U11.4 U13.13 | length 48.8
  Top Layer w0.27: U11.4@61.087,66.651 63.287,66.652 v1(63.309,66.675) ; v1(63.309,62.992) 63.309,62.611 64.706,61.214 67.627,61.214 68.263,60.579 v1(68.263,57.404) ; U13.13@99.758,56.386 v1(99.758,58.102)
  Bottom Layer w0.27: v1(63.309,62.992) v1(63.309,66.675) ; v1(68.263,57.404) 99.06,57.404 v1(99.758,58.102)
NetU13_8: U13.8 U14_A.1 U14_B.1 U14C1.1 U14C5.2 U14R1.1 U14TVS1.6 | length 68.8
  Top Layer w0.27: v1(88.646,31.496) v1(100.393,31.496) ; U13.8@101.783,47.462 101.783,45.727 v1(102.235,45.276)
  Bottom Layer w0.27: U14_B.1@78.903,20.193 89.916,20.193 90.868,21.145 90.868,29.757 ; v1(88.646,31.496) 88.646,31.432 U14C5.2@87.439,30.226 87.106,30.559 U14TVS1.6@87.106,32.306 89.296,32.306 89.789,31.813 U14C1.1@89.789,29.947 89.979,29.757 90.868,29.757 ; U14_A.1@93.9,29.757 90.868,29.757 ; v1(100.393,31.496) 100.393,33.528 101.092,34.227 103.759,34.227 105.981,36.449 105.981,42.545 105.346,43.18 U14R1.1@104.394,43.18 104.394,44.831 103.95,45.276 v1(102.235,45.276)
NetU13_10: U13.10 U14R4.1 | length 4.5
  Top Layer w0.27: U13.10@100.983,47.462 100.983,45.194 v1(101.663,44.514)
  Bottom Layer w0.27: U14R4.1@101.663,43.243 v1(101.663,44.514)
NetU13_12: U13.12 U14R3.1 | length 5.2
  Top Layer w0.27: U13.12@100.183,47.462 100.183,45.168 v1(100.203,45.148)
  Bottom Layer w0.27: U14R3.1@99.06,43.18 99.06,44.767 99.441,45.148 v1(100.203,45.148)
NetU13_14: U13.14 U14R2.1 | length 6.6
  Top Layer w0.27: v1(98.171,45.339) 98.87,45.339 99.383,45.853 U13.14@99.383,47.462
  Bottom Layer w0.27: U14R2.1@96.393,43.18 96.393,44.767 96.965,45.339 v1(98.171,45.339)
NetU13D1_1: U13D1.1 U13R2.1 | length 3.7
  Top Layer w0.27: U13D1.1@75.374,46.228 v1(77.216,46.228)
  Bottom Layer w0.27: U13R2.1@75.374,46.228 v1(77.216,46.228)
NetU14_A_2: U14_A.2 U14_B.2 U14C4.2 U14R2.2 U14TVS1.5 | length 69.8
  Bottom Layer w0.27: U14_B.2@78.903,17.653 91.249,17.653 93.091,19.494 93.091,26.098 94.234,27.241 95.25,27.241 96.71,28.702 96.71,31.559 95.973,32.297 U14_A.2@93.9,32.297 90.639,32.297 89.98,32.956 U14TVS1.5@87.106,32.956 86.423,32.956 86.106,32.639 86.106,31.496 84.836,30.226 U14C4.2@84.772,30.226 81.216,33.782 81.216,39.243 82.867,40.894 U14R2.2@96.393,40.894
NetU14_A_3: U14_A.3 U14_B.3 U14C3.2 U14R3.2 U14TVS1.4 | length 58.2
  Top Layer w0.27: v1(87.694,15.113) 87.694,33.21 88.075,33.591 v1(90.043,33.591) ; v1(89.725,34.798) v1(99.123,34.798)
  Bottom Layer w0.27: U14_B.3@78.903,15.113 v1(87.694,15.113) ; v1(89.725,34.798) 88.9,35.623 U14C3.2@87.439,35.623 87.106,35.29 U14TVS1.4@87.106,33.606 90.028,33.606 v1(90.043,33.591) 91.288,34.837 U14_A.3@93.9,34.837 ; U14R3.2@99.06,40.894 100.52,39.433 100.52,36.195 v1(99.123,34.798)
NetU14_A_7: U14_A.7 U14_B.7 U14C2.2 U14R1.2 U14R4.2 U14TVS1.3 | length 73.1
  Top Layer w0.27: v1(82.931,35.623) v1(103.06,35.623)
  Bottom Layer w0.27: v1(82.931,35.623) U14C2.2@84.772,35.623 ; U14TVS1.3@85.106,33.606 85.106,35.29 U14C2.2@84.772,35.623 ; U14_A.7@93.9,33.567 96.393,33.567 ; U14R4.2@101.727,40.894 103.06,40.894 ; v1(103.06,35.623) 103.06,40.894 ; U14_B.7@104.203,15.113 102.743,15.113 101.536,16.319 101.536,26.416 99.06,28.892 99.06,32.703 98.196,33.567 96.393,33.567 ; U14R1.2@104.394,40.894 103.06,40.894 ; U14C2.2@84.772,35.623 85.915,36.767 95.758,36.767 96.393,36.131 96.393,33.567
OSC_1.8432MHZ: U6.31 U6X2.3 | length 4.6
  Top Layer w0.27: v1(57.15,55.88) 57.975,55.88 58.345,55.511 U6.31@58.345,53.937
  Bottom Layer w0.27: v1(57.15,55.88) 57.165,55.895 U6X2.3@57.165,57.553
R\S\T\/NMI: U6.58 U6_TAG1.11 U6C3.1 U6R1.1 | length 30.9
  Top Layer w0.27: U6.58@62.345,42.837 62.345,34.112 62.865,33.591 v1(67.056,33.591) ; 62.472,39.116 v1(63.182,39.116) ; U6_TAG1.11@69.088,22.352 v1(69.088,26.352)
  Bottom Layer w0.27: v1(63.182,39.116) 64.96,39.116 U6R1.1@65.024,39.052 65.087,39.116 U6C3.1@67.564,39.116 ; v1(67.056,33.591) 67.056,28.384 v1(69.088,26.352)
RX1_RS232: PWR_RS-232_CONN.6 U10L4.2 | length 7.2
  Bottom Layer w0.4: U10L4.2@22.26,56.099 PWR_RS-232_CONN.6@22.261,63.309
RX2_RS232: PWR_RS-232_CONN.4 U10L2.2 | length 7.2
  Bottom Layer w0.4: U10L2.2@15.24,56.07 PWR_RS-232_CONN.4@15.24,63.288
TCK: U6.57 U6_TAG1.7 | length 21.9
  Top Layer w0.27: U6.57@61.845,42.837 61.845,29.468 62.611,28.702 63.5,28.702 63.944,28.258 63.944,22.415 U6_TAG1.7@64.008,22.352
TD0/TDI: U6.54 U6_TAG1.1 | length 23.2
  Top Layer w0.27: U6_TAG1.1@56.388,22.352 56.388,28.194 57.721,29.527 59.627,29.527 60.345,30.246 U6.54@60.345,42.837
TDI/TCLK: U6.55 U6_TAG1.3 | length 21.6
  Top Layer w0.27: U6_TAG1.3@58.928,22.352 58.928,28.13 59.499,28.702 60.071,28.702 60.845,29.476 U6.55@60.845,42.837
TMS: U6.56 U6_TAG1.5 | length 20.5
  Top Layer w0.27: U6.56@61.345,42.837 61.345,22.475 U6_TAG1.5@61.468,22.352
TX1_RS232: PWR_RS-232_CONN.7 U10L3.2 | length 7.1
  Bottom Layer w0.4: U10L3.2@25.845,56.134 PWR_RS-232_CONN.7@25.845,63.225
TX2_RS232: PWR_RS-232_CONN.5 U10L1.2 | length 4.1
  Bottom Layer w0.27: U10L1.2@18.732,67.373 U10L1.2@18.761,67.345
  Bottom Layer w0.4: PWR_RS-232_CONN.5@18.761,63.309 U10L1.2@18.761,67.345
UART-DCD: U6.21 U13.33 | length 32.1
  Top Layer w0.27: v1(63.338,58.582) 63.345,58.582 U6.21@63.345,53.937 ; v1(88.547,58.582) 88.583,58.546 U13.33@88.583,56.362
  Bottom Layer w0.27: v1(63.338,58.582) v1(88.547,58.582)
UART-RTS: U6.20 U13.25 | length 33.6
  Top Layer w0.27: U6.20@63.845,53.937 63.84,53.941 63.84,57.998 v1(63.845,58.003) ; v1(91.757,57.975) 91.783,57.95 U13.25@91.783,56.362
  Bottom Layer w0.27: v1(63.845,58.003) 91.73,58.003 v1(91.757,57.975)
"VCC TOOL": "JMP Vcc.3" U6_TAG1.2 | length 24.5
  Top Layer w0.27: U6_TAG1.2@57.658,17.852 57.658,19.685 58.102,20.13 64.516,20.13 65.278,20.892 65.278,27.559 66.421,28.702 72.644,28.702
VCC_BT: U12.26 U12C1.1 U12D1.2 U12D2.2 U12R1.1 U12R2.1 U12R3.1 U12R4.1 U12R5.1 U12R6.2 U12R7.2 | length 46
  Top Layer w0.4: v1(66.548,63.055) 67.438,63.946 U12.26@67.438,64.908 ; v1(75.184,62.166) 75.184,60.515 75.819,59.88 79.692,59.88 80.328,60.515 v1(80.328,61.722)
  Bottom Layer w0.27: v1(66.548,63.055) v1@66.58,63.087
  Bottom Layer w0.4: U12D1.2@63.406,68.897 65.025,68.897 U12R2.1@65.278,68.644 66.579,68.644 ; v1@66.58,63.087 66.58,68.644 ; U12C1.1@68.961,72.453 70.358,72.453 ; U12R4.1@70.485,68.644 70.358,68.771 70.358,72.453 ; U12R1.1@71.501,72.453 70.358,72.453 ; v1(75.184,62.166) U12R5.1@75.184,66.358 U12R7.2@75.184,68.961 73.406,68.961 U12R6.2@73.088,68.644 66.58,68.644 ; v1(80.328,61.722) U12D2.2@84.803,61.722
VCC_TAG: "JMP Vcc.2" U6.1 U6.64 U6B1.1 U6C1.1 U6C2.1 U6R1.2 | length 25
  Top Layer w0.27: U6.64@65.345,42.837 65.621,42.837 66.554,41.904 67.564,41.904 67.564,44.218 U6.1@67.145,44.637
  Top Layer w0.4: v2(66.103,35.369) 67.564,35.369 ; 70.168,31.242 U6B1.1@70.168,32.067
  Top Layer w0.5: U6C2.1@67.564,41.904 U6C1.1@67.564,39.237 67.564,35.369 68.263,34.671 68.263,31.623 68.644,31.242 70.168,31.242 72.644,31.242
  Bottom Layer w0.27: U6R1.2@65.024,36.767 U6R1.2@65.532,36.767
  Bottom Layer w0.5: U6R1.2@65.532,36.767 66.103,36.195 v2(66.103,35.369)
WAKE#: U6.22 U13.1 | length 49.8
  Top Layer w0.27: U6.22@62.845,53.937 62.845,59.162 v1(62.865,59.182) ; U13.1@104.584,56.364 v1(104.584,59.182)
  Bottom Layer w0.27: v1(62.865,59.182) v1(104.584,59.182)
pads on no net: PWR_RS-232_CONN.1@2.35,66.484 U1.2 U1.6 U2.3 U2.5 U6.2 U6.10 U6.11 U6.14 U6.28 U6.29 U6.42 U6.43 U6.52 U6.53 U6.60 U6.61 U6_TAG1.4 U6_TAG1.6 U6_TAG1.8 U6_TAG1.10 U6_TAG1.12 U6_TAG1.13 U6_TAG1.14 U7.1 U8.3 U8.9 U9.Z1 U9.Z2 U9.Z3 U9.Z4 U10.11 U12.2 U12.3 U12.4 U12.5 U12.6 U12.8 U12.9 U12.10 U12.11 U12.12 U12.14 U12.15 U12.21 U12.22 U12.24 U12.25 U12.29 U12.30 U12.31 U12.32 U12.33 U12.34 U12.35 U12.36 U12.37 U12.38 U12TAG1.6 U12TAG1.8 U13. U13.3 U13.5 U13.6 U13.7 U13.16 U13.19 U13.24 U13.28 U13.30 U13.32 U13.36 U13.38 U13.44 U13.45 U13.46 U13.47 U13.48 U13.49 U13.51 U14_A.6 U14_A.X U14_B.0 U14_B.6 U14TVS1.1

## Polygon pours and split planes (outlines as drawn)
GND on Bottom Layer "Mechanical 1-No Net" (solid, remove dead copper, pour order 4): 0,67.246 0.064,67.246 53.023,67.246 53.023,73.596 53.023,73.66 77.47,73.66 77.47,79.375 108.839,79.375 108.839,76.391 108.839,0 0,0
GND on Top Layer "Mechanical 1-No Net" (solid, remove dead copper, pour order 3): 0,67.246 0.064,67.246 53.023,67.246 53.023,73.596 53.023,73.66 77.47,73.66 77.47,79.375 108.839,79.375 108.839,76.391 108.839,0 0,0

## Keep-outs
Keep-Out Layer:
  lines w0.2: 108.983,69.896 108.983,10.812 108.983,9 117,9 117,0 0,0 0,70.358 52.832,70.358 52.832,79.438 117.1,79.438 117.1,70.439 108.984,70.439 108.984,69.897

## Other copper
Top Layer:
  text "EQG" at 69.406,72.644 h0.8
  text "TEL_HIDRO_GPRS_BT" at 9.906,5.207 h0.8
  text "Ver: 1.0  Rev: 1" at 10.16,3.81 h0.8

## Silkscreen, mask and mechanical layers (free items; w line width, h text height)
Top Overlay:
  lines w0.27: 95.885,69.913 106.68,69.913 ; 95.885,66.358 95.885,71.819 106.68,71.819 106.68,66.358 95.885,66.358
  text "MANUAL CTRL BT" at 96.584,70.485 h0.7
  text "Auxiliar" at 19.113,69.659 h1.5 r180
  text "Medidor" at 26.162,69.659 h1.5 r180
  text "1: BT_SIO_02" at 98.108,68.961 h0.5
  text "24V" at 5.779,68.263 h1.5 r180
  text "12V" at 9.144,68.263 h1.5 r180
  text "GND" at 12.89,68.263 h1.5 r180
  text "RX" at 16.002,68.263 h1.5 r180
  text "TX" at 19.431,68.263 h1.5 r180
  text "RX" at 22.987,68.263 h1.5 r180
  text "TX" at 26.416,68.263 h1.5 r180
  text "GND" at 30.48,68.263 h1.5 r180
  text "Puerta" at 34.608,68.263 h1.5 r180
  text "GND" at 37.719,68.263 h1.5 r180
  text "2: BT_nAutoRun" at 98.108,68.008 h0.5
  text "3: BT_RESET" at 98.108,67.056 h0.5
  text "1" at 81.153,61.912 h0.5
  text "2" at 82.359,61.912 h0.5
  text "3" at 88.963,61.912 h0.5
  text "MANUAL CTRL BT" at 81.915,60.515 h0.7
  text "ISO 9001:2008" at 9.779,52.959 h0.7
  text "Marzo 2018" at 9.842,51.625 h0.7
  text "Hecho en México" at 9.716,50.038 h1.7
  text "K" at 73.66,48.323 h0.5
  text "A" at 73.66,45.91 h0.5
  text "A" at 42.037,25.971 h0.5
  text "K" at 44.704,25.971 h0.5
  text "GND" at 36.83,22.162 h1.5
  text "B" at 40.322,22.162 h1.5
  text "R" at 42.862,22.162 h1.5
  text "G" at 45.339,22.162 h1.5

## Text inside footprints (layer, text, board x,y; h text height)
U12SW2: Top Overlay "ON" at 78.93,64.325 h0.7